# Altium PCB S7CAS-PLEIADES-CARTE-MERE_Pxx.PcbDoc (part 5 of 8)
Units mil, origin at the board's own origin, x right, y up, seen from the top; angles counter-clockwise.
Board outline 8000 x 4000 mil, 14 copper layers (L1, L2 (GND), L3, L4 (GND), L5, L6 (GND), L7 (PWR), L8 (GND), L9 (PWR), L10 (GND), L11 (GND), L12, L13 (GND), L14), stack 81.971 mil thick; 686 components, 434 nets, 2811 pads, 1136 vias.
Unrouted connection lines stored in the file: 1167.
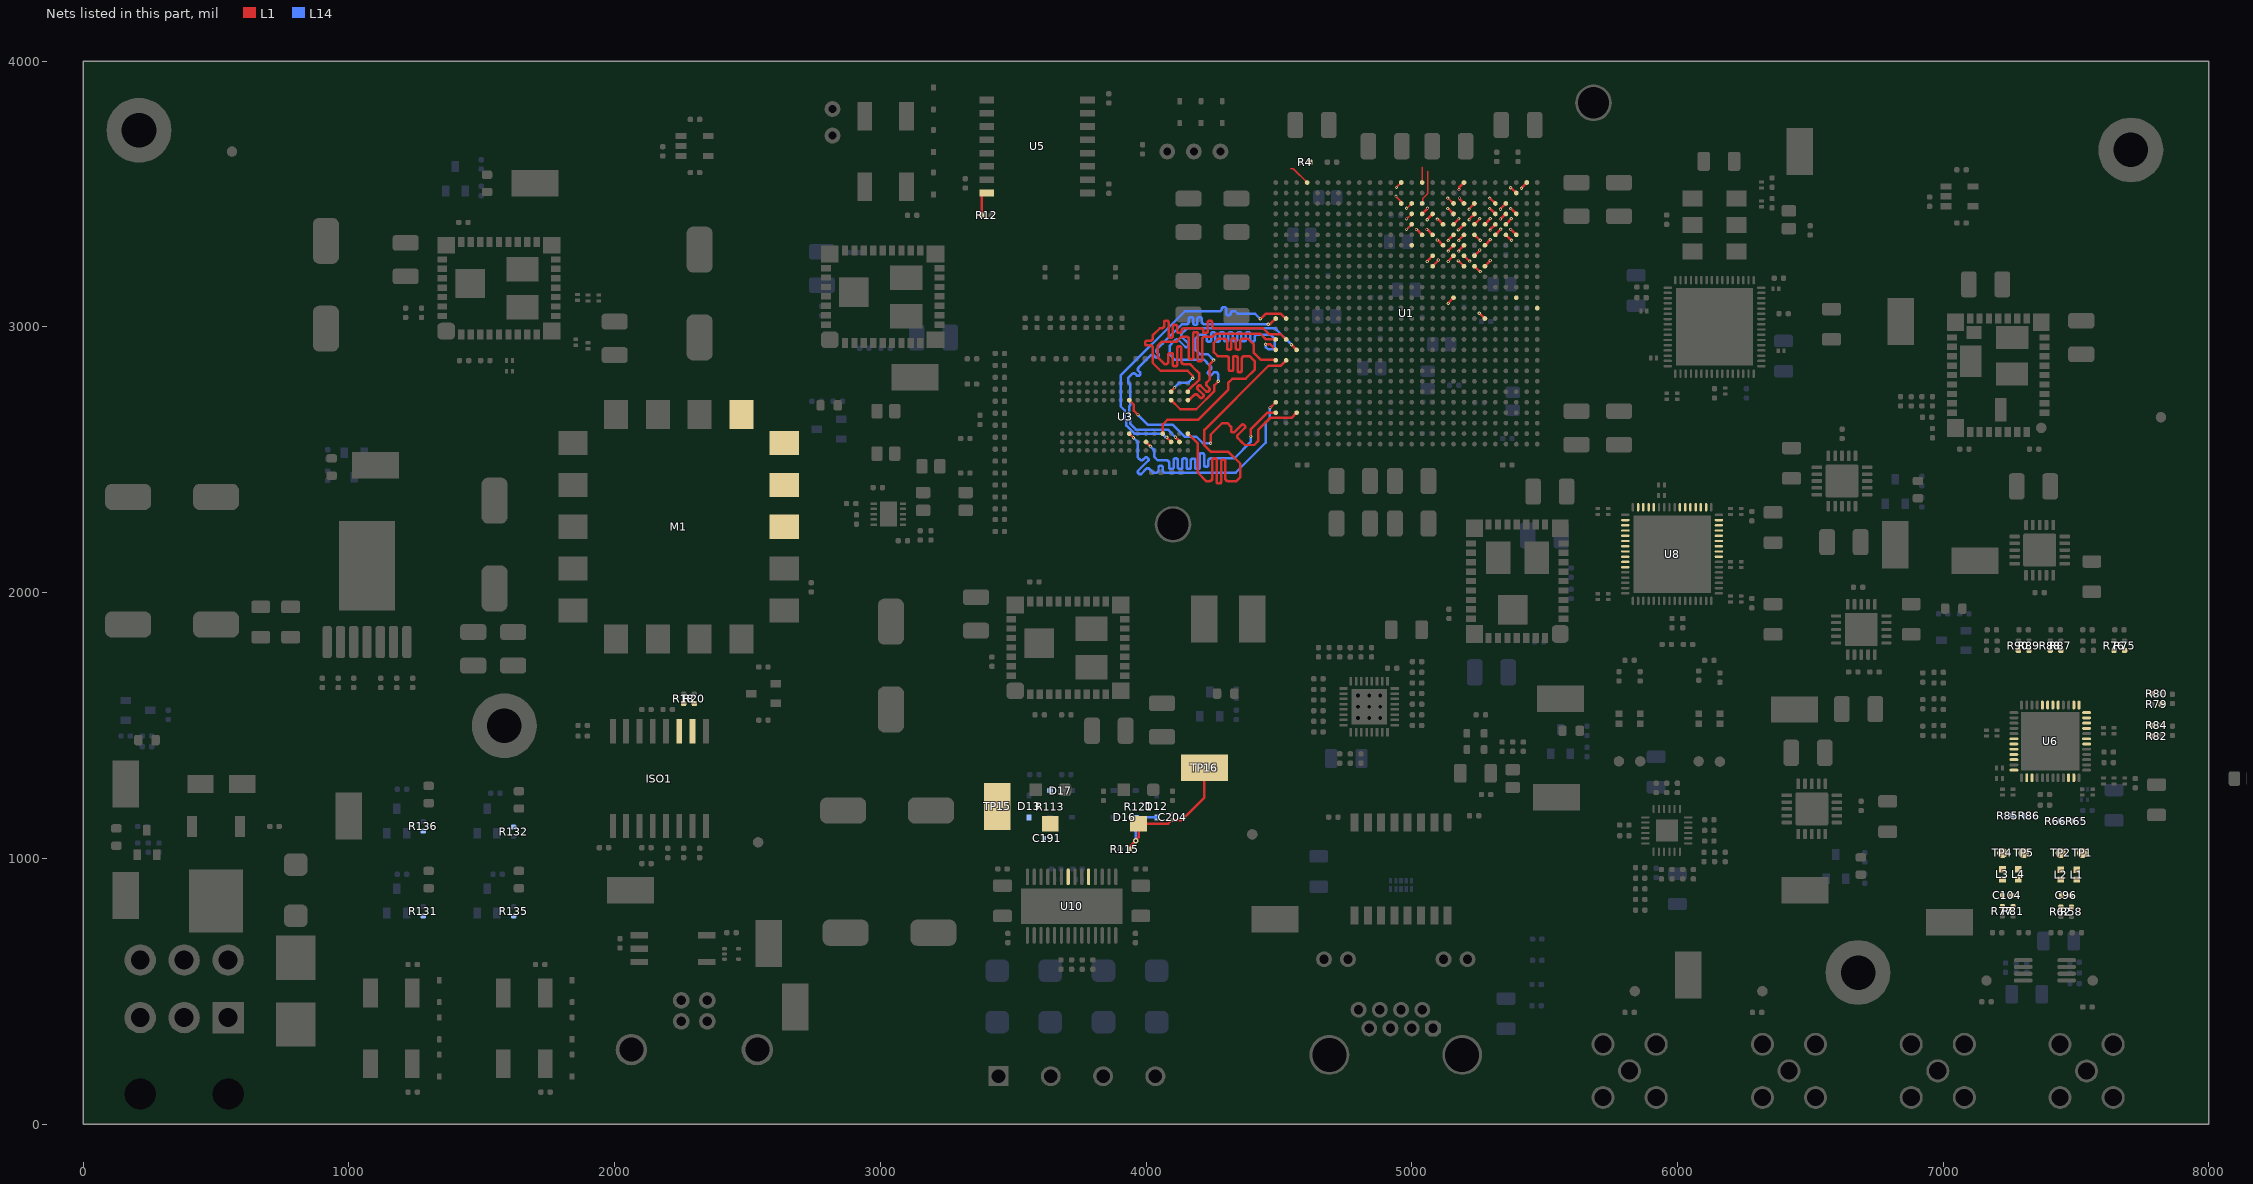
[diagram p16: the nets of this part, all layers, seen from the top]

## Via types
v1: diameter 12, hole 6, L1 to L14, tented both sides, 492 vias
v2: diameter 30, hole 15, L1 to L14, tented both sides, 226 vias
v3: diameter 20, hole 10, L1 to L14, tented both sides, 208 vias
v4: diameter 19.68, hole 7.87, L1 to L14, tented both sides, 106 vias
v5: diameter 19.68, hole 11.81, L1 to L14, tented both sides, 48 vias
v6: diameter 22, hole 12, L1 to L14, tented both sides, 27 vias
v7: diameter 19.68, hole 11.81, L1 to L14, 15 vias
v8: diameter 28, hole 14, L1 to L14, tented both sides, 10 vias
v9: diameter 19.68, hole 7.87, L1 to L14, 4 vias

## Nets (pads, with @x,y where several pads share a name; then routed paths per layer and width w, separated by ;. In a path a pad name is that pad's centre, name@x,y a point inside that pad or via, vN(x,y) a via of type N, cw(c..) or ccw(c..) an arc to the next point about the centre after c; other vN are vias at no path point) (continued)
D5: U1.E26 U3.H7 | length 973
  L1 w9.39: U3.H7@3937,2598.42 v1(3952.75,2582.67) ; v1(4466.65,2695) U1.E26@4488.18,2716.53
  L14 w9.36: v1(3952.75,2582.67) 3969,2566.42 3969,2509 3973.5,2504.5 3976.81,2501.19 ccw(c3983.43,2507.81) 3990.05,2501.19 3996.51,2507.65 cw(c4000.56,2503.6) 4004.61,2507.65 4008.09,2504.18 cw(c4004.04,2500.13) 4008.09,2496.08 3970.44,2458.43 ccw(c3974.49,2454.38) 3970.44,2450.33 3973.91,2446.86 ccw(c3977.96,2450.91) 3982.01,2446.86 3999.95,2464.8 cw(c4006.57,2458.18) 4013.2,2464.8 4026.69,2451.31 4027,2451 4033,2451 4037.68,2451 ccw(c4037.68,2460.36) 4047.05,2460.36 4047.05,2471.06 cw(c4052.77,2471.06) 4052.77,2476.78 4057.68,2476.78 cw(c4057.68,2471.06) 4063.41,2471.06 4063.41,2460.36 ccw(c4072.77,2460.36) 4072.77,2451 4096,2451 4337,2451 4450.82,2564.82 4450.82,2640.82 4466.15,2656.15 4466.15,2694.5 v1(4466.65,2695)
D5_N: R76.2 U1.AB10 U6.14 | length 30.3
  L1 w9.39: v1@5096.24,3406.09 5096.74,3405.59 5098.33,3405.59 U1.AB10@5118.1,3385.82
  other v1: 5096.49,3405.84
D5_P: R75.2 U1.Y10 U6.13 | length 30.3
  L1 w9.39: v1@5096.24,3327.35 5096.74,3326.85 5098.33,3326.85 U1.Y10@5118.1,3307.08
  other v1: 5096.49,3327.1
D6: U1.D24 U3.H3 | length 969.3
  L1 w9.39: U3.H3@3937,2724.4 3954.05,2707.36 3954.05,2684.73 v1(3970.01,2668.76) ; v1(4243,2562) 4243,2594 4287,2638 4306,2638 4320,2624 4320,2611 4320,2607 4321.32,2605.68 ccw(c4327.96,2612.32) 4334.6,2605.68 4360.13,2631.21 cw(c4364.18,2627.16) 4368.24,2631.21 4371.71,2627.73 cw(c4367.66,2623.68) 4371.71,2619.62 4346.18,2594.09 ccw(c4352.82,2587.45) 4346.18,2580.82 4360,2567 4371.5,2555.5 4407.5,2555.5 4422,2570 4422,2612 4467.25,2657.25 4547.01,2657.25 U1.D24@4566.92,2677.16
  L14 w9.36: v1(3970.01,2668.76) 4007.92,2630.86 4101.14,2630.86 4145,2587 4189,2587 4214,2562 v1(4243,2562)
D6_N: R80.2 U1.W11 U6.12 | length 30.3
  L1 w9.39: v1@5058.46,3245.85 5058.96,3246.35 5058.96,3247.94 U1.W11@5078.73,3267.71
  other v1: 5058.71,3246.1
D6_P: R79.2 U1.V11 U6.11 | length 30.3
  L1 w9.39: U1.V11@5080,3230 5099.77,3249.77 5099.77,3251.36 v1@5100.27,3251.86
  other v1: 5100.02,3251.61
D7: U1.D26 U3.F8 | length 983.6
  L1 w9.39: U3.F8@3999.99,2566.92 v1(4015.74,2551.18) ; v1(4395,2588) 4395,2615 4457.16,2677.16 U1.D26@4488.18,2677.16
  L14 w9.36: v1(4015.74,2551.18) 4030.18,2536.74 4030.18,2511.82 4044,2498 4057,2498 4078.05,2498 cw(c4078.05,2488.64) 4087.41,2488.64 4087.41,2471.42 ccw(c4093.14,2471.42) 4093.14,2465.69 4098.05,2465.69 ccw(c4098.05,2471.42) 4103.77,2471.42 4103.77,2499 cw(c4109.5,2499) 4109.5,2504.73 4114.41,2504.73 cw(c4114.41,2499) 4120.14,2499 4120.14,2471.42 ccw(c4125.87,2471.42) 4125.87,2465.69 4130.77,2465.69 ccw(c4130.77,2471.42) 4136.5,2471.42 4136.5,2499.26 cw(c4142.23,2499.26) 4142.23,2504.99 4147.14,2504.99 cw(c4147.14,2499.26) 4152.87,2499.26 4152.87,2471.42 ccw(c4158.59,2471.42) 4158.59,2465.69 4163.5,2465.69 ccw(c4163.5,2471.42) 4169.23,2471.42 4169.23,2498.29 cw(c4174.96,2498.29) 4174.96,2504.02 4179.87,2504.02 cw(c4179.87,2498.29) 4185.59,2498.29 4185.59,2471.42 ccw(c4191.32,2471.42) 4191.32,2465.69 4196.23,2465.69 ccw(c4196.23,2471.42) 4201.96,2471.42 4201.96,2519.07 cw(c4207.68,2519.07) 4207.68,2524.8 4212.59,2524.8 cw(c4212.59,2519.07) 4218.32,2519.07 4218.32,2480.13 ccw(c4224.05,2480.13) 4224.05,2474.41 4228.96,2474.41 ccw(c4228.96,2480.13) 4234.69,2480.13 4234.69,2495.64 cw(c4244.05,2495.64) 4244.05,2505 4266.74,2505 4332,2505 4394.95,2567.95 v1(4395,2588) v1(4395,2588)
D7_N: R84.2 U1.AF8 U6.10 | length 34.3
  L1 w9.39: v1(5177.94,3516.79) 5178.44,3517.29 5178.44,3524.9 U1.AF8@5196.84,3543.3
D7_P: R82.2 U1.AD8 U6.9 | length 27.4
  L1 w9.39: v1(5180,3485) 5180.5,3484.5 5180.5,3480.9 U1.AD8@5196.84,3464.56
D8: U1.K24 U3.C3 | length 1186.5
  L1 w9.39: U3.C3@4094.48,2724.4 4128.88,2690 4189,2690 4257.12,2758.12 4257.12,2780.37 v1(4272,2795.26) ; v1(4547.24,2933.07) U1.K24@4566.92,2913.38
  L14 w9.36: v1(4272,2795.26) 4272,2821.31 4270,2823.31 4270,2825 4267.53,2827.47 ccw(c4260.91,2820.84) 4254.29,2827.47 4246.2,2819.38 cw(c4242.15,2823.43) 4238.11,2819.38 4234.63,2822.85 cw(c4238.68,2826.9) 4234.63,2830.95 4242.72,2839.04 ccw(c4236.1,2845.66) 4242.72,2852.28 4228.31,2866.69 4225,2870 4217.93,2877.07 4107.93,2877.07 4090,2895 4090,2930 4095,2935 4109.88,2949.88 cw(c4116.5,2943.26) 4123.12,2949.88 4147.64,2925.37 ccw(c4151.69,2929.42) 4155.74,2925.37 4159.21,2928.84 ccw(c4155.16,2932.89) 4159.21,2936.94 4134.7,2961.45 cw(c4141.32,2968.07) 4134.7,2974.7 4148.1,2988.1 4154,2994 4486.3,2994 v1(4547.24,2933.07)
D9: U1.K26 U3.A3 | length 1205.5
  L1 w9.39: U3.A3@4157.47,2724.4 4159.73,2724.4 4163.89,2728.57 4165.81,2728.57 4165.92,2728.69 4180.83,2743.59 cw(c4187.47,2736.96) 4194.11,2743.59 4203.89,2733.81 ccw(c4207.95,2737.87) 4212,2733.81 4215.48,2737.29 ccw(c4211.42,2741.34) 4215.48,2745.4 4193.9,2766.98 cw(c4197.95,2771.03) 4193.9,2775.09 4197.37,2778.57 cw(c4201.43,2774.51) 4205.49,2778.57 4226.76,2757.29 ccw(c4230.82,2761.35) 4234.87,2757.29 4238.35,2760.77 ccw(c4234.29,2764.82) 4238.35,2768.88 4228.87,2778.36 cw(c4235.51,2785) 4228.87,2791.63 4240.34,2803.1 ; 4240.37,2803.13 4240.37,2860.37 4243.89,2863.89 v1(4255,2875) ; v1(4450,2935) 4466.56,2935 U1.K26@4488.18,2913.38
  L14 w9.36: v1@4254.5,2875.5 4232.5,2897.5 4202.5,2897.5 4185,2915 4185,2955 4198.06,2968.06 4200,2970 4219.1,2970 cw(c4219.1,2960.64) 4228.47,2960.64 4228.47,2950.55 ccw(c4234.19,2950.55) 4234.19,2944.82 4239.1,2944.82 ccw(c4239.1,2950.55) 4244.83,2950.55 4244.83,2973.58 cw(c4250.56,2973.58) 4250.56,2979.31 4255.47,2979.31 cw(c4255.47,2973.58) 4261.19,2973.58 4261.19,2950.55 ccw(c4266.92,2950.55) 4266.92,2944.82 4271.83,2944.82 ccw(c4271.83,2950.55) 4277.56,2950.55 4277.56,2973.58 cw(c4283.29,2973.58) 4283.29,2979.31 4288.19,2979.31 cw(c4288.19,2973.58) 4293.92,2973.58 4293.92,2951.87 ccw(c4299.65,2951.87) 4299.65,2946.15 4304.56,2946.15 ccw(c4304.56,2951.87) 4310.29,2951.87 4310.29,2973.58 cw(c4316.01,2973.58) 4316.01,2979.31 4320.92,2979.31 cw(c4320.92,2973.58) 4326.65,2973.58 4326.65,2951.87 ccw(c4332.38,2951.87) 4332.38,2946.15 4337.29,2946.15 ccw(c4337.29,2951.87) 4343.01,2951.87 4343.01,2973.58 cw(c4348.74,2973.58) 4348.74,2979.31 4353.65,2979.31 cw(c4353.65,2973.58) 4359.38,2973.58 4359.38,2951.87 ccw(c4365.1,2951.87) 4365.1,2946.15 4370.01,2946.15 ccw(c4370.01,2951.87) 4375.74,2951.87 4375.74,2973.58 cw(c4381.47,2973.58) 4381.47,2979.31 4386.38,2979.31 cw(c4386.38,2973.58) 4392.11,2973.58 4392.11,2950.55 ccw(c4397.83,2950.55) 4397.83,2944.82 4402.74,2944.82 ccw(c4402.74,2950.55) 4408.47,2950.55 4408.47,2960.64 cw(c4417.83,2960.64) 4417.83,2970 4439,2970 4470,2970 4485,2955 4485,2925 4475,2915 4460,2915 4450,2925 v1(4450,2935)
D10: U1.J25 U3.A7 | length 1353.9
  L1 w9.39: U3.A7@4157.47,2598.42 4195,2560.89 4195,2451 4226,2420 4235.49,2420 4240.18,2420 ccw(c4240.18,2429.39) 4249.57,2429.39 4249.57,2498.99 cw(c4255.3,2498.99) 4255.3,2504.72 4260.22,2504.72 cw(c4260.22,2498.99) 4265.96,2498.99 4265.96,2416.34 ccw(c4271.69,2416.34) 4271.69,2410.61 4276.61,2410.61 ccw(c4276.61,2416.34) 4282.34,2416.34 4282.34,2493.68 cw(c4288.08,2493.68) 4288.08,2499.41 4293,2499.41 cw(c4293,2493.68) 4298.73,2493.68 4298.73,2429.39 ccw(c4308.12,2429.39) 4308.12,2420 4325.34,2420 4340,2420 4355,2435 4355,2485 4309,2531 4243,2531 4220,2554 4220,2612 4462,2854 4507.54,2854 U1.J25@4527.55,2874.01
D11: U1.J26 U3.D7 | length 1356.3
  L1 w9.39: U3.D7@4062.98,2598.42 4062.98,2632.98 4080,2650 4195,2650 4310,2765 4310,2790 4325,2805 4375,2805 4410,2840 4410,2870 4390,2890 4375,2890 4370.31,2890 ccw(c4370.31,2880.61) 4360.92,2880.61 4360.92,2835.9 cw(c4355.18,2835.9) 4355.18,2830.17 4350.27,2830.17 cw(c4350.27,2835.9) 4344.53,2835.9 4344.53,2884.27 ccw(c4338.8,2884.27) 4338.8,2890.01 4333.88,2890.01 ccw(c4333.88,2884.27) 4328.14,2884.27 4328.14,2840.43 cw(c4322.41,2840.43) 4322.41,2834.7 4317.49,2834.7 cw(c4317.49,2840.43) 4311.76,2840.43 4311.76,2880.61 ccw(c4302.37,2880.61) 4302.37,2890 4270,2890 4268.68,2891.32 4255,2905 4255,2940 4270,2955 4274.51,2955 4295.59,2955 cw(c4295.59,2945.61) 4304.98,2945.61 4304.98,2920.51 ccw(c4310.72,2920.51) 4310.72,2914.77 4315.63,2914.77 ccw(c4315.63,2920.51) 4321.37,2920.51 4321.37,2950.86 cw(c4327.11,2950.86) 4327.11,2956.59 4332.02,2956.59 cw(c4332.02,2950.86) 4337.76,2950.86 4337.76,2920.51 ccw(c4343.49,2920.51) 4343.49,2914.77 4348.41,2914.77 ccw(c4348.41,2920.51) 4354.14,2920.51 4354.14,2945.61 cw(c4363.53,2945.61) 4363.53,2955 4385,2955 4400.01,2939.99 4405,2935 4405,2904.01 4433.41,2875.6 4486.59,2875.6 U1.J26@4488.18,2874.01
D12: U1.L25 U3.C2 | length 1195.8
  L1 w9.39: U3.C2@4094.48,2755.9 4094.48,2758.15 4106.59,2770.26 4106.59,2771.14 v1(4107.09,2771.64) ; v1(4176,2807) 4175.64,2807.36 4175.64,2816.27 4156.91,2835 4055,2835 4025,2865 4025,2884 4025,2921.47 ccw(c4015.61,2921.47) 4015.61,2930.86 4002.24,2930.86 cw(c4002.24,2936.59) 3996.5,2936.59 3996.5,2941.51 cw(c4002.24,2941.51) 4002.24,2947.24 4015.61,2947.24 ccw(c4015.61,2956.63) 4025,2956.63 4025,2968 4028,2971 4052,2995 4058.99,2995 ccw(c4058.99,3004.39) 4068.38,3004.39 4068.38,3017.51 cw(c4074.11,3017.51) 4074.11,3023.24 4079.03,3023.24 cw(c4079.03,3017.51) 4084.77,3017.51 4084.77,2965.45 ccw(c4090.5,2965.45) 4090.5,2959.71 4095.42,2959.71 ccw(c4095.42,2965.45) 4101.15,2965.45 4101.15,3001.73 cw(c4106.89,3001.73) 4106.89,3007.46 4111.8,3007.46 cw(c4111.8,3001.73) 4117.54,3001.73 4117.54,2983.23 ccw(c4123.28,2983.23) 4123.28,2977.5 4128.19,2977.5 ccw(c4128.19,2983.23) 4133.93,2983.23 4133.93,2985.61 cw(c4143.32,2985.61) 4143.32,2995 4206.48,2995 cw(c4206.48,2985.61) 4215.87,2985.61 4215.87,2983.23 ccw(c4221.6,2983.23) 4221.6,2977.5 4226.52,2977.5 ccw(c4226.52,2983.23) 4232.25,2983.23 4232.25,3017.51 cw(c4237.99,3017.51) 4237.99,3023.24 4242.9,3023.24 cw(c4242.9,3017.51) 4248.64,3017.51 4248.64,3004.39 ccw(c4258.03,3004.39) 4258.03,2995 4375,2995 4440.61,2995 4462.61,2973 4507.3,2973 U1.L25@4527.55,2952.75
  L14 w9.36: v1(4107.09,2771.64) 4124.45,2789 4158,2789 v1(4176,2807)
D13: U1.L26 U3.A2 | length 1356.5
  L1 w9.39: U3.A2@4157.47,2755.9 4157.47,2758.15 4161.64,2762.32 4161.64,2763.64 4200.79,2802.79 4200.79,2824.21 4173.26,2851.74 4165,2860 4142.79,2860 cw(c4142.79,2869.39) 4133.4,2869.39 4133.4,2920.6 ccw(c4127.67,2920.6) 4127.67,2926.33 4122.75,2926.33 ccw(c4122.75,2920.6) 4117.01,2920.6 4117.01,2858.12 cw(c4111.28,2858.12) 4111.28,2852.39 4106.36,2852.39 cw(c4106.36,2858.12) 4100.63,2858.12 4100.63,2895.42 ccw(c4094.89,2895.42) 4094.89,2901.15 4089.98,2901.15 ccw(c4089.98,2895.42) 4084.24,2895.42 4084.24,2869.39 cw(c4074.85,2869.39) 4074.85,2860 4070,2860 4059.98,2870.02 4045,2885 4045,2930 4060,2945 4115,2945 4131.29,2961.29 4132.79,2962.79 4135.98,2962.79 4152.37,2962.79 cw(c4152.37,2953.4) 4161.76,2953.4 4161.76,2884.51 ccw(c4167.49,2884.51) 4167.49,2878.78 4172.41,2878.78 ccw(c4172.41,2884.51) 4178.15,2884.51 4178.15,2974.55 cw(c4183.88,2974.55) 4183.88,2980.29 4188.8,2980.29 cw(c4188.8,2974.55) 4194.53,2974.55 4194.53,2875.7 ccw(c4200.27,2875.7) 4200.27,2869.97 4205.19,2869.97 ccw(c4205.19,2875.7) 4210.92,2875.7 4210.92,2953.4 cw(c4220.31,2953.4) 4220.31,2962.79 4251.03,2962.79 4257.72,2969.48 4263.24,2975 4430,2975 4452.25,2952.75 U1.L26@4488.18,2952.75
D14: U1.N25 U3.C8 | length 1186.3
  L1 w9.39: v1(4078.73,2585) 4079.23,2584.5 4079.23,2582.24 4091.8,2569.68 4091.8,2569.61 U3.C8@4094.48,2566.92 ; v1@4430.62,3030 4450.98,3050.37 4506.46,3050.37 4525.33,3031.49 U1.N25@4527.55,3031.49
  L14 w9.36: v1(4078.73,2585) 4078.23,2585.5 4073.02,2585.5 4059.85,2598.68 3956.17,2598.68 3926.28,2628.57 3926.28,2647.69 3919.3,2654.67 3919.3,2686.22 3904.19,2701.33 3904.19,2816.81 4146.38,3059 4271.47,3059 4276.15,3059 ccw(c4276.15,3068.36) 4285.52,3068.36 cw(c4291.25,3068.37) 4291.25,3074.1 4296.15,3074.1 cw(c4296.15,3068.37) 4301.88,3068.37 4301.88,3049.64 ccw(c4307.61,3049.64) 4307.61,3043.91 4312.52,3043.91 ccw(c4312.52,3049.64) 4318.25,3049.64 cw(c4327.61,3049.64) 4327.61,3059 4336,3059 4346,3049 4401.89,3049 4411,3049 v1(4430,3030)
D15: U1.N26 U3.B8 | length 1190.6
  L1 w9.39: v1@4111.62,2584.26 4121.81,2574.07 4121.81,2573.34 4125.98,2569.18 U3.B8@4125.98,2566.92 ; v1(4460,3010.01) 4460.49,3010.5 4467.19,3010.5 U1.N26@4488.18,3031.49
  L14 w9.36: v1(4111.12,2584.76) 4082.51,2613.37 3962.26,2613.37 3940.97,2634.65 3940.97,2653.77 3936.2,2658.54 3936.2,2700.42 3940,2704.21 3940,2783.6 3932.42,2791.17 3932.42,2807.42 3947.31,2822.31 cw(c3953.93,2815.68) 3960.55,2822.31 3965.99,2816.86 ccw(c3970.04,2820.91) 3974.09,2816.86 3977.56,2820.33 ccw(c3973.51,2824.38) 3977.56,2828.43 3972.12,2833.88 cw(c3978.74,2840.5) 3972.12,2847.12 4016.73,2891.73 cw(c4023.35,2885.11) 4029.97,2891.73 4035.42,2886.29 ccw(c4039.47,2890.34) 4043.52,2886.29 4046.99,2889.76 ccw(c4042.94,2893.81) 4046.99,2897.86 4041.54,2903.3 cw(c4048.17,2909.92) 4041.54,2916.54 4062.47,2937.47 4135,3010 4147,3010 4151.68,3010 ccw(c4151.68,3019.36) 4161.05,3019.36 4161.05,3030.13 cw(c4166.77,3030.13) 4166.77,3035.86 4171.68,3035.86 cw(c4171.68,3030.13) 4177.41,3030.13 4177.41,3014.42 ccw(c4183.14,3014.42) 4183.14,3008.69 4188.05,3008.69 ccw(c4188.05,3014.42) 4193.77,3014.42 4193.77,3030.13 cw(c4199.5,3030.13) 4199.5,3035.86 4204.41,3035.86 cw(c4204.41,3030.13) 4210.14,3030.13 4210.14,3019.36 ccw(c4219.5,3019.36) 4219.5,3010 4239.16,3010 v1(4460,3010.01)
DA0_N: U1.AD5 U8.40 | length 30.3
  L1 w9.39: v1@5293.09,3484.83 5293.59,3484.33 5295.18,3484.33 U1.AD5@5314.95,3464.56
  other v1: 5293.34,3484.58
DA0_P: U1.AC5 U8.41 | length 30.3
  L1 w9.39: v1@5293.09,3445.46 5293.59,3444.96 5295.18,3444.96 U1.AC5@5314.95,3425.19
  other v1: 5293.34,3445.21
DA2_N: U1.W7 U8.42 | length 30.3
  L1 w9.39: U1.W7@5236.21,3267.71 5255.98,3287.48 5255.98,3289.07 v1@5256.48,3289.57
  other v1: 5256.23,3289.32
DA2_P: U1.W8 U8.43 | length 30.3
  L1 w9.39: U1.W8@5196.84,3267.71 5216.61,3247.94 5218.2,3247.94 v1@5218.7,3247.44
  other v1: 5218.45,3247.69
DA4_N: U1.AB5 U8.44 | length 30.3
  L1 w9.39: v1@5294.68,3363.96 5295.18,3364.46 5295.18,3366.05 U1.AB5@5314.95,3385.82
  other v1: 5294.93,3364.21
DA4_P: U1.AA5 U8.45 | length 30.3
  L1 w9.39: U1.AA5@5314.95,3346.45 5334.72,3366.22 5334.72,3367.81 v1@5335.22,3368.31
  other v1: 5334.97,3368.06
DA6_N: U1.V6 U8.46 | length 30.3
  L1 w9.39: U1.V6@5275.58,3228.34 5295.35,3248.11 5295.35,3249.7 v1@5295.85,3250.2
  other v1: 5295.6,3249.95
DA6_P: U1.V7 U8.47 | length 30.3
  L1 w9.39: U1.V7@5236.21,3228.34 5255.98,3208.57 5257.57,3208.57 v1@5258.07,3208.07
  other v1: 5257.82,3208.32
DA8_N: U1.AC3 U8.50 | length 30.3
  L1 w9.39: v1@5371.83,3445.46 5372.33,3444.96 5373.92,3444.96 U1.AC3@5393.69,3425.19
  other v1: 5372.08,3445.21
DA8_P: U1.AB4 U8.51 | length 30.3
  L1 w9.39: U1.AB4@5354.32,3385.82 5374.09,3405.59 5374.09,3407.18 v1@5374.59,3407.68
  other v1: 5374.34,3407.43
DA10_N: U1.V8 U8.52 | length 30.3
  L1 w9.39: v1@5174.98,3248.61 5175.48,3248.11 5177.07,3248.11 U1.V8@5196.84,3228.34
  other v1: 5175.23,3248.36
DA10_P: U1.W9 U8.53 | length 30.3
  L1 w9.39: v1@5137.2,3245.85 5137.7,3246.35 5137.7,3247.94 U1.W9@5157.47,3267.71
  other v1: 5137.45,3246.1
DA12_N: U1.AA3 U8.54 | length 30.3
  L1 w9.39: v1@5371.83,3366.72 5372.33,3366.22 5373.92,3366.22 U1.AA3@5393.69,3346.45
  other v1: 5372.08,3366.47
DA12_P: U1.AA4 U8.55 | length 30.3
  L1 w9.39: U1.AA4@5354.32,3346.45 5374.09,3326.68 5375.68,3326.68 v1@5376.18,3326.18
  other v1: 5375.93,3326.43
DAC1_MID_N: C96.1 L2.2 R62.2
DAC1_MID_P: C96.2 L1.2 R58.2
DAC1_OUT_N: L2.1 R66.2 TP2.1 U6.46
DAC1_OUT_P: L1.1 R65.2 TP1.1 U6.47
DAC2_MID_N: C104.1 L4.2 R81.2
DAC2_MID_P: C104.2 L3.2 R77.2
DAC2_OUT_N: L4.1 R86.2 TP5.1 U6.39
DAC2_OUT_P: L3.1 R85.2 TP4.1 U6.38
DAC_CTRL.\CS: U1.AC12 U6.33 | length 30.3
  L1 w9.39: U1.AC12@5039.36,3425.19 5059.13,3444.96 5059.13,3446.55 v1(5059.63,3447.05)
DAC_CTRL.\IRQ: U1.AA11 U6.34 | length 30.3
  L1 w9.39: v1@5056.87,3366.72 5057.37,3366.22 5058.96,3366.22 U1.AA11@5078.73,3346.45
  other v1: 5057.12,3366.47
DAC_CTRL.\RESET: U1.Y13 U6.36
DAC_CTRL.SCLK: U1.AA12 U6.31 | length 30.3
  L1 w9.39: v1@5017.5,3366.72 5018,3366.22 5019.59,3366.22 U1.AA12@5039.36,3346.45
  other v1: 5017.75,3366.47
DAC_CTRL.SDIO: U1.AB13 U6.32 | length 29.1
  L1 w6.36: v1@4980,3365 4980,3365.83 U1.AB13@4999.99,3385.82
  other v1: 4980.5,3367.12
DAC_CTRL.TXENABLE: U1.AC11 U6.30 | length 30.3
  L1 w9.39: v1(5058.46,3403.33) 5058.96,3403.83 5058.96,3405.42 U1.AC11@5078.73,3425.19
DAC_REF_CLK_N: U1.AF14 U6.7 | length 25.9
  L1 w4.82: v1(4942.32,3525) U1.AF14@4960.62,3543.3
DAC_REF_CLK_P: U1.AD14 U6.6 | length 35.9
  L1 w4.82: v1(4940.94,3492.31) 4940.94,3490.37 4958.15,3473.15 4958.15,3467.03 U1.AD14@4960.62,3464.56
DB0_N: U1.AD7 U8.60 | length 30.3
  L1 w9.39: v1@5215.94,3442.7 5216.44,3443.2 5216.44,3444.79 U1.AD7@5236.21,3464.56
  other v1: 5216.19,3442.95
DB0_P: U1.AC7 U8.61 | length 30.3
  L1 w9.39: v1@5215.94,3403.33 5216.44,3403.83 5216.44,3405.42 U1.AC7@5236.21,3425.19
  other v1: 5216.19,3403.58
DB2_N: U1.AF2 U8.62 | length 30.3
  L1 w9.39: v1@5412.79,3521.44 5413.29,3521.94 5413.29,3523.53 U1.AF2@5433.06,3543.3
  other v1: 5413.04,3521.69
DB2_P: U1.AE3 U8.63 | length 30.3
  L1 w9.39: v1@5371.83,3524.2 5372.33,3523.7 5373.92,3523.7 U1.AE3@5393.69,3503.93
  other v1: 5372.08,3523.95
DB4_N: U1.AD4 U8.2 | length 30.3
  L1 w9.39: v1@5334.05,3442.7 5334.55,3443.2 5334.55,3444.79 U1.AD4@5354.32,3464.56
  other v1: 5334.3,3442.95
DB4_P: U1.AC4 U8.3 | length 28.3
  L1 w9.39: v1(5334,3406) 5334.57,3406 5353.76,3425.19 U1.AC4@5354.32,3425.19
DB6_N: U1.AB8 U8.4 | length 30.5
  L1 w9.39: v1(5175,3365) 5175.51,3365 5196.33,3385.82 U1.AB8@5196.84,3385.82
DB6_P: U1.AA8 U8.5 | length 30.3
  L1 w9.39: v1@5176.57,3324.59 5177.07,3325.09 5177.07,3326.68 U1.AA8@5196.84,3346.45
  other v1: 5176.82,3324.84
DB8_N: U1.Y6 U8.6 | length 30.3
  L1 w9.39: U1.Y6@5275.58,3307.08 5295.35,3326.85 5295.35,3328.44 v1@5295.85,3328.94
  other v1: 5295.6,3328.69
DB8_P: U1.AA7 U8.7 | length 30.3
  L1 w9.39: U1.AA7@5236.21,3346.45 5255.98,3326.68 5257.57,3326.68 v1@5258.07,3326.18
  other v1: 5257.82,3326.43
DB10_N: U1.AB6 U8.8 | length 30.3
  L1 w9.39: U1.AB6@5275.58,3385.82 5295.35,3405.59 5295.35,3407.18 v1@5295.85,3407.68
  other v1: 5295.6,3407.43
DB10_P: U1.AB7 U8.9 | length 30.3
  L1 w9.39: U1.AB7@5236.21,3385.82 5255.98,3405.59 5255.98,3407.18 v1@5256.48,3407.68
  other v1: 5256.23,3407.43
DB12_N: U1.Y8 U8.10 | length 30.3
  L1 w9.39: v1@5176.57,3285.22 5177.07,3285.72 5177.07,3287.31 U1.Y8@5196.84,3307.08
  other v1: 5176.82,3285.47
DB12_P: U1.Y9 U8.11 | length 30.3
  L1 w9.39: v1@5137.2,3285.22 5137.7,3285.72 5137.7,3287.31 U1.Y9@5157.47,3307.08
  other v1: 5137.45,3285.47
DBG_LED0: R135.2 U1.R3
DBG_LED1: R136.2 U1.N6 | length 30.3
  L1 w9.39: v1@5253.72,3051.76 5254.22,3051.26 5255.81,3051.26 U1.N6@5275.58,3031.49
  other v1: 5253.97,3051.51
DBG_LED2: R132.2 U1.P1
DBG_LED3: R131.2 U1.R9 | length 30.3
  L1 w9.39: v1@5137.2,3088.37 5137.7,3088.87 5137.7,3090.46 U1.R9@5157.47,3110.23
  other v1: 5137.45,3088.62
DCI_N: R88.2 U1.AD9 U6.18 | length 30.3
  L1 w9.39: v1@5135.61,3484.83 5136.11,3484.33 5137.7,3484.33 U1.AD9@5157.47,3464.56
  other v1: 5135.86,3484.58
DCI_P: R87.2 U1.AC9 U6.17 | length 30.3
  L1 w9.39: v1@5135.61,3445.46 5136.11,3444.96 5137.7,3444.96 U1.AC9@5157.47,3425.19
  other v1: 5135.86,3445.21
DD_N: ISO1.11 R18.2
DD_P: ISO1.10 R20.2
DECAY: C204.2 D12.2 D16.1 R115.1 R121.2 TP16.1 U10.5 | length 677.1
  L1 w9.39: R115.1@3937.5,1035 3942,1039.5 3942,1047 v3(3961.34,1066.34) 3961.34,1069.21 3972.2,1080.07 R121.2@3972.2,1130 4083,1130 4097,1144 C204.2@4100,1144 4135,1144 4220,1229 TP16.1@4220,1340
  L14 w9.39: v3(3961.34,1066.34) D16.1@3961.34,1155 3962.01,1154.33 4039.33,1154.33 D12.2@4040,1153.66
DONE: R4.1 U1.AF23 | length 82.7
  L1 w6.36: 4545,3595 4554.59,3595 U1.AF23@4606.29,3543.3
DRV_VREF: C191.2 D13.2 D17.1 R113.2 TP15.1 U10.8
FLASH_PROG.MISO: R12.1 U5.8 | length 96.9
  L1 w9.39: R12.1@3382.5,3420 3382.5,3496.19 3390.31,3504 U5.8@3400,3504
FRAME_N: R90.2 U1.AB9 U6.20 | length 30.3
  L1 w9.39: U1.AB9@5157.47,3385.82 5177.24,3405.59 5177.24,3407.18 v1@5177.74,3407.68
  other v1: 5177.49,3407.43
FRAME_P: R89.2 U1.AA9 U6.19 | length 30.3
  L1 w9.39: v1@5137.2,3324.59 5137.7,3325.09 5137.7,3326.68 U1.AA9@5157.47,3346.45
  other v1: 5137.45,3324.84
FTDI_UART.CTS: M1.3 U1.AF12 | length 57
  L1 w6.36: U1.AF12@5039.36,3543.3 5039.36,3599.36 5040,3600
FTDI_UART.RTS: M1.4 U1.AD12 | length 129
  L1 w6.36: U1.AD12@5039.36,3464.56 5041.08,3466.28 5041.08,3482.97 5060,3501.89 5060,3585
FTDI_UART.RXD: M1.5 U1.AD13 | length 27.7
  L1 w6.36: v1@4980.43,3445 U1.AD13@4999.99,3464.56
  other v1: 4980.93,3446.3
FTDI_UART.TXD: M1.6 U1.AC13 | length 28.7
  L1 w6.36: v1@4980,3405 4980,3405.2 U1.AC13@4999.99,3425.19 U1.AC13@4999.99,3424.99
  other v1: 4980.5,3406.29